# Altium PCB 56PCB -0.pcbdoc (part 2 of 2) (continued)
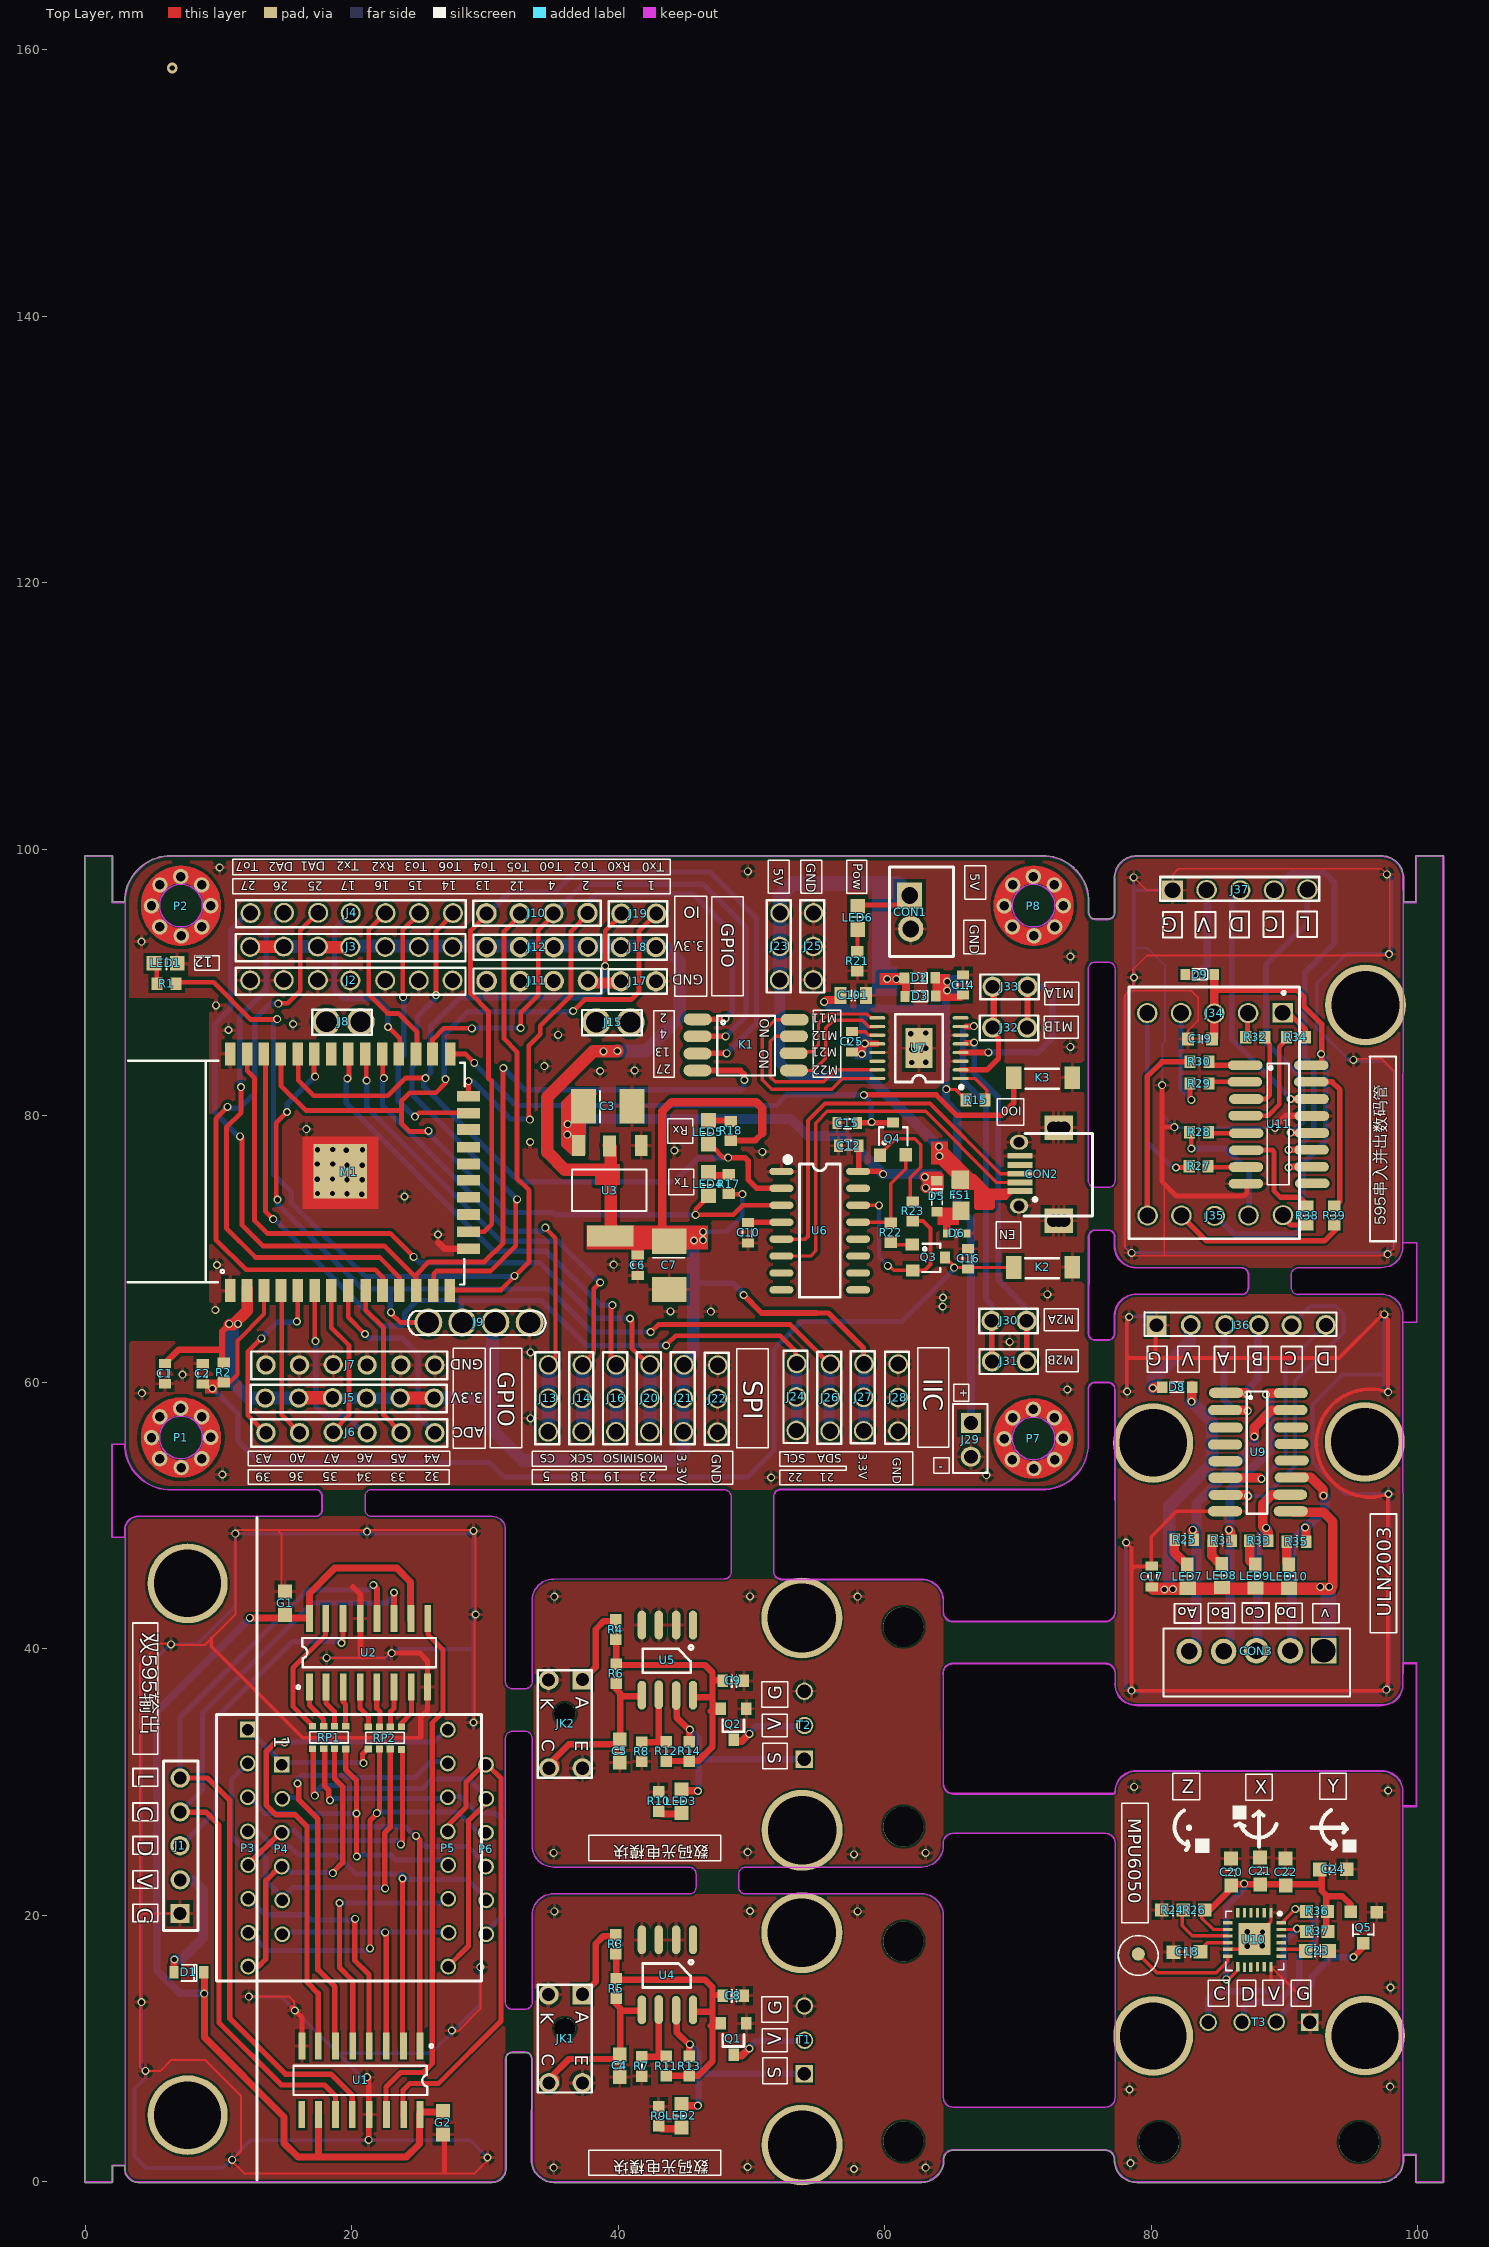
[diagram p0: Top Layer view]
## Nets (pads, with @x,y where several pads share a name; then routed paths per layer and width w, separated by ;. In a path a pad name is that pad's centre, name@x,y a point inside that pad or via, vN(x,y) a via of type N, cw(c..) or ccw(c..) an arc to the next point about the centre after c; other vN are vias at no path point) (continued)
NewNet142: RP2.7 U2.7 | length 3.3
  Top Layer w0.379: RP2.7@23.726,34.15 23.726,34.417 24.463,35.154 U2.7@24.463,37.122
NewNet143: RP2.5 U2.6 | length 2.9
  Top Layer w0.379: RP2.5@22.914,34.315 22.914,35.281 23.168,35.535 U2.6@23.168,37.122
NewNet144: RP2.3 U2.5 | length 2.9
  Top Layer w0.379: U2.5@21.872,37.122 21.872,35.535 22.126,35.281 RP2.3@22.126,34.29
NewNet145: RP2.1 U2.4 | length 3.3
  Top Layer w0.379: U2.4@20.628,37.211 20.628,35.535 21.237,34.925 RP2.1@21.237,34.15
NewNet146: RP1.7 U2.3 | length 3
  Top Layer w0.379: U2.3@19.358,37.122 19.358,36.017 19.535,35.839 RP1.7@19.535,34.176
NewNet147: RP1.5 U2.2 | length 3.1
  Top Layer w0.379: U2.2@18.062,37.122 18.062,35.916 18.697,35.281 RP1.5@18.697,34.29
NewNet148: RP1.3 U2.1 | length 3.4
  Top Layer w0.379: U2.1@16.818,37.122 16.818,35.763 17.884,34.696 RP1.3@17.884,34.176
NewNet149: RP1.1 U2.15 | length 9.9
  Top Layer w0.379: RP1.1@17.046,34.176 17.046,34.214 15.573,35.687 15.573,38.557 18.037,41.021 U2.15@18.037,42.494
NewNet150: D1.2 G1.1 G2.2 U1.10 U1.16 U2.10 U2.16 | length 85
  Top Layer w0.532: D1.2@8.944,15.519 8.944,10.846 14.913,4.877 14.913,2.896 15.954,1.854 24.082,1.854 25.073,2.845 25.073,5.131 25.174,5.232 26.787,5.232 G2.2@26.851,5.296 ; v1(12.347,42.316) 16.589,42.316 16.818,42.545 16.818,44.145 18.723,46.05 23.371,46.05 24.412,45.009 U2.10@24.412,42.139 ; 17.503,1.854 U1.10@17.503,5.042
  Bottom Layer w0.583: v1@8.994,14.148 7.089,14.148 5.362,15.875 5.362,35.281 12.347,42.266 v1(12.347,42.316)
  other v1: 8.918,14.122
NewNet151: U1.14 U2.9 | length 40.7
  Top Layer w0.379: U1.14@22.558,4.826 22.558,7.112 23.65,8.204 25.377,8.204 26.038,8.865 26.038,34.442 26.851,35.255 26.851,39.929 25.708,41.072 U2.9@25.708,42.278
R1: C25.2 U7.11 | length 2
  Top Layer w0.254: C25.2@57.531,86.309 58.522,86.309 58.791,86.04 U7.11@59.435,86.04
R2: R15.2 U7.1 | length 3.3
  Top Layer w0.254: U7.1@65.685,82.79 66.766,82.79 67.64,81.915 R15.2@67.64,80.975
RTS: Q3.2 R23.1 U6.14 | length 14.2
  Top Layer w0.252: U6.14@57.995,73.279 v1(59.563,73.279) ; v1(60.223,68.732) 60.317,68.732 60.654,68.396 Q3.2@62.08,68.396
  Top Layer w0.303: R23.1@62.078,72.111 62.865,72.111 63.424,71.552 63.424,68.834 62.985,68.396 Q3.2@62.08,68.396
  Bottom Layer w0.303: v1(59.563,73.279) 59.563,69.393 v1(60.223,68.732)
RXD: J19.2 LED4.2 M1.35 U6.3 | length 77.3
  Top Layer w0.354: M1.35@14.655,84.626 14.684,84.598 14.684,82.264 16.564,80.384 23.726,80.384 ; v1@25.708,78.81 24.361,78.81 23.726,79.445 23.726,81.096 24.361,81.731 26.317,81.731 27.028,82.442 v1(27.028,82.747) ; v1(36.604,87.852) 37.468,88.716 40.973,88.716 41.557,89.3 41.557,93.872 42.878,95.193 J19.2@42.929,95.193 ; LED4.2@46.764,73.996 46.764,73.933 45.799,72.968 v1(45.799,72.561) 48.634,72.561 49.352,73.279 U6.3@52.241,73.279
  Bottom Layer w0.405: v1(25.758,78.86) 25.758,78.683 31.702,72.739 35.077,72.739 35.255,72.561 v1(45.799,72.561) ; v1(27.028,82.747) 26.927,82.848 26.927,86.049 28.679,87.801 v1@36.528,87.801
TXD: J19.1 LED5.2 M1.34 U6.2 | length 71.5
  Top Layer w0.354: M1.34@15.979,84.448 15.979,82.67 17.148,81.502 22.685,81.502 24.006,82.823 v1(25.53,82.823) ; v1@39.068,91.154 39.017,91.205 39.017,93.872 J19.1@40.313,95.167 ; LED5.2@47.069,77.667 47.882,76.854 v1(48.237,76.854)
  Top Layer w0.405: v1(48.237,76.854) 49.496,76.854 49.733,76.617 49.733,75.209 50.394,74.549 U6.2@52.241,74.549
  Bottom Layer w0.405: v1(39.017,91.23) 39.017,89.503 38.357,88.843 28.07,88.843 25.936,86.709 25.936,83.28 25.403,82.747 25.403,82.188 32.534,75.057 44.225,75.057 46.022,76.854 v1(48.237,76.854)
V3: C10.1 U6.4 | length 2.5
  Top Layer w0.405: C10.1@49.733,71.984 49.746,71.996 52.228,71.996 U6.4@52.241,72.009
VBUS: 
VIN: CON1.1 CON2.1 D2.1 D3.1 FS1.3 J23.1 J23.2 J23.3 LED6.2 | length 60.4
  Top Layer w0.379: LED6.2@57.937,95.796 61.211,95.796 CON1.1@61.852,96.437
  Top Layer w0.405: FS1.3@65.332,75.431 65.179,75.279 65.179,74.746 65.281,74.644 66.703,74.644 66.906,74.441 66.906,73.145 68.024,73.145 68.049,73.171 68.049,73.679 68.253,73.882 69.065,73.882 CON2.1@69.535,74.352 ; FS1.3@65.482,75.431 66.301,75.431 66.678,75.431 67.757,74.352 CON2.1@69.535,74.352 ; CON2.1@70.126,74.352 CON2.1@69.535,74.352
  Top Layer w0.76: v1(64.059,77.673) 66.301,75.431 66.637,75.095 ; v1(64.084,76.962) 64.084,76.829 FS1.3@65.482,75.431
  Bottom Layer w0.735: v1@60.175,90.062 60.328,89.909
  Bottom Layer w0.76: J23.1@52.111,90.189 52.111,83.957 53.099,82.969 58.763,82.969 63.829,77.903 63.829,77.852 64.008,77.673 v1(64.059,77.673) 64.084,77.648 64.084,77.292
  Bottom Layer w1: J23.1@52.111,90.189 J23.2@52.111,92.703 52.111,96.424
  Bottom Layer w1.091: 52.111,96.424 53.114,97.428
  Bottom Layer w1.116: 53.114,97.428 60.988,97.428 CON1.1@61.801,96.615
  other v1: 60.858,90.246 60.175,90.265
VM: C14.2 C25.1 C101.2 D2.2 D3.2 J29.1 R15.1 U7.12 | length 52.8
  Top Layer w0.254: v1(64.618,81.991) 64.638,81.971 65.299,81.971 65.748,81.521 65.799,81.521 66.091,81.229 R15.1@66.091,81.178
  Top Layer w0.5: v1@58.698,85.407 U7.12@59.417,85.407
  Top Layer w0.557: D3.2@63.909,88.893 65.713,88.893 C14.2@65.865,89.046
  Top Layer w0.608: v1(55.448,88.544) 55.6,88.696 56.542,88.696 56.683,88.837 C101.2@56.683,89.027 ; v1(58.268,84.633) 58.268,85.192 v1(58.496,85.42)
  Bottom Layer w0.608: v1(55.448,88.544) 55.956,88.036 58.395,88.036 ; v1(58.496,85.42) 58.481,85.42 58.376,85.525 58.376,88.018 58.395,88.036 ; v1@64.592,89.401 64.592,88.036 ; v1@64.593,89.401 v1(64.671,89.401) ; v1@64.632,89.441 64.824,89.633 v1@64.824,89.82 ; J29.1@66.449,56.927 66.449,72.126 65.43,73.145 65.43,80.188 64.592,81.026 64.592,88.036 ; 58.395,88.036 64.592,88.036
  other v1: 64.671,90.062
pads on no net: CON2.4 J8.1 J8.2 J15.1 J15.2 JK1.5 JK2.5 M1.17 M1.18 M1.19 M1.20 M1.21 M1.22 M1.32 U1.9 U4.1 U5.1 U6.7 U6.8 U6.9 U6.10 U6.11 U6.12 U6.15 U7.8 U7.14 U9.3 U9.4 U9.5 U9.12 U9.13 U9.14 U10.2 U10.3 U10.4 U10.5 U10.6 U10.7 U10.14 U10.15 U10.16 U10.17 U10.19 U10.21 U10.22 U11.9
copper on no net:
  other v2: 6.528,158.623

## Polygon pours and split planes (outlines as drawn)
GND on Top Layer "GND-No Net" (solid, remove dead copper, pour order 19): 3,96.31 cw(c6.15,96.31) 6.15,99.46 72.037,99.46 cw(c72.037,96.234) 75.263,96.234 75.263,55.035 cw(c72.164,55.035) 72.164,51.936 6.404,51.936 cw(c6.404,55.34) 3,55.34
NewNet48 on Top Layer "GND-No Net" (solid, pour order 12): 78.939,66.599 97.126,66.599 cw(c97.126,64.846) 98.878,64.846 98.878,36.805 cw(c97.812,36.805) 97.812,35.738 78.508,35.738 cw(c78.508,36.982) 77.263,36.982 77.263,64.922 cw(c78.939,64.922)
NewNet49 on Top Layer "GND-No Net" (solid, pour order 10): 33.651,1.422 33.651,20.168 cw(c35.074,20.168) 35.074,21.59 63.191,21.59 cw(c63.191,20.396) 64.385,20.396 64.385,1.219 cw(c63.039,1.219) 63.039,-0.127 35.201,-0.127 cw(c35.201,1.422)
NewNet54 on Top Layer "GND-No Net" (solid, pour order 8): 33.651,25.038 33.651,43.783 cw(c35.074,43.783) 35.074,45.205 63.191,45.205 cw(c63.191,44.012) 64.385,44.012 64.385,24.835 cw(c63.039,24.835) 63.039,23.488 35.201,23.488 cw(c35.201,25.038)
NewNet62 on Top Layer "GND-No Net" (solid, pour order 6): 97.253,-0.025 78.533,-0.025 cw(c78.533,1.27) 77.238,1.27 77.238,29.21 cw(c78.889,29.21) 78.889,30.861 97.608,30.861 cw(c97.608,29.566) 98.904,29.566 98.904,1.626 cw(c97.253,1.626)
NewNet76 on Top Layer "GND-No Net" (solid, pour order 4): 78.774,99.358 97.57,99.358 cw(c97.57,98.012) 98.917,98.012 98.917,69.716 cw(c97.799,69.716) 97.799,68.599 78.393,68.599 cw(c78.393,69.767) 77.225,69.767 77.225,97.809 cw(c78.774,97.809) 78.774,99.358
NewNet97 on Top Layer "GND-No Net" (solid, pour order 2): 3,1.321 3,48.819 cw(c4.246,48.691) 4.118,49.936 30.965,49.936 cw(c30.895,49.307) 31.524,49.378 31.524,0.762 cw(c30.74,0.784) 30.762,0 4.321,0 cw(c4.329,1.329)
GND on Bottom Layer "GND-No Net" (solid, remove dead copper, pour order 18): 3,96.31 cw(c6.15,96.31) 6.15,99.46 72.037,99.46 cw(c72.037,96.234) 75.263,96.234 75.263,55.035 cw(c72.164,55.035) 72.164,51.936 6.404,51.936 cw(c6.404,55.34) 3,55.34
NewNet48 on Bottom Layer "GND-No Net" (solid, pour order 13): 78.939,66.599 97.126,66.599 cw(c97.126,64.846) 98.878,64.846 98.878,36.805 cw(c97.812,36.805) 97.812,35.738 78.508,35.738 cw(c78.508,36.982) 77.263,36.982 77.263,64.922 cw(c78.939,64.922)
NewNet49 on Bottom Layer "GND-No Net" (solid, pour order 11): 33.651,1.422 33.651,20.168 cw(c35.074,20.168) 35.074,21.59 63.191,21.59 cw(c63.191,20.396) 64.385,20.396 64.385,1.219 cw(c63.039,1.219) 63.039,-0.127 35.201,-0.127 cw(c35.201,1.422)
NewNet54 on Bottom Layer "GND-No Net" (solid, pour order 9): 33.651,25.038 33.651,43.783 cw(c35.074,43.783) 35.074,45.205 63.191,45.205 cw(c63.191,44.012) 64.385,44.012 64.385,24.835 cw(c63.039,24.835) 63.039,23.488 35.201,23.488 cw(c35.201,25.038)
NewNet62 on Bottom Layer "GND-No Net" (solid, pour order 7): 97.253,-0.025 78.533,-0.025 cw(c78.533,1.27) 77.238,1.27 77.238,29.21 cw(c78.889,29.21) 78.889,30.861 97.608,30.861 cw(c97.608,29.566) 98.904,29.566 98.904,1.626 cw(c97.253,1.626)
NewNet76 on Bottom Layer "GND-No Net" (solid, pour order 5): 78.774,99.358 97.57,99.358 cw(c97.57,98.012) 98.917,98.012 98.917,69.716 cw(c97.799,69.716) 97.799,68.599 78.393,68.599 cw(c78.393,69.767) 77.225,69.767 77.225,97.809 cw(c78.774,97.809) 78.774,99.358
NewNet97 on Bottom Layer "GND-No Net" (solid, pour order 3): 3,1.321 3,48.819 cw(c4.246,48.691) 4.118,49.936 30.965,49.936 cw(c30.895,49.307) 31.524,49.378 31.524,0.762 cw(c30.74,0.784) 30.762,0 4.321,0 cw(c4.329,1.329)

## Keep-outs
Keep-Out Layer:
  lines w0.1: 2.999,96.285 2.999,95.99 ; 3,96.285 cw(c6.429,96.031) 6.175,99.46 72.088,99.46 cw(c71.834,96.031) 75.263,96.285 75.262,95.228 ccw(c75.77,95.228) 75.77,94.72 76.761,94.72 ccw(c76.761,95.228) 77.269,95.228 ; 17.29,49.933 ccw(c17.29,50.441) 17.798,50.441 17.798,51.431 ccw(c17.29,51.431) 17.29,51.939 ; 17.29,49.936 3.991,49.936 ; 21.506,49.934 cw(c21.506,50.442) 20.998,50.442 20.998,51.432 cw(c21.506,51.432) 21.506,51.94 47.959,51.928 cw(c47.959,51.42) 48.467,51.42 48.467,45.756 cw(c47.959,45.756) 47.959,45.248 35.15,45.231 ccw(c35.15,43.605) 33.524,43.605 33.533,37.51 ; 21.506,49.936 30.534,49.936 cw(c30.534,48.946) 31.524,48.946 31.526,37.51 ; 31.526,33.294 31.528,13.456 ccw(c32.037,13.456) 32.037,12.948 33.027,12.948 ccw(c33.027,13.456) 33.535,13.456 ; 31.529,37.51 ccw(c32.037,37.51) 32.037,37.002 33.027,37.002 ccw(c33.027,37.51) 33.535,37.51 ; 31.53,33.294 cw(c32.038,33.294) 32.038,33.802 33.028,33.802 cw(c33.028,33.294) 33.536,33.294 33.524,25.241 ccw(c35.15,25.241) 35.15,23.615 45.325,23.607 ; 33.533,13.456 33.524,19.99 cw(c35.15,19.99) 35.15,21.615 45.325,21.601 ; 45.325,21.598 ccw(c45.325,22.106) 45.833,22.106 45.833,23.097 ccw(c45.325,23.097) 45.325,23.605 ; 52.175,45.246 62.76,45.231 ; 52.175,45.249 cw(c52.175,45.757) 51.667,45.757 51.667,51.421 cw(c52.175,51.421) 52.175,51.929 ; 64.373,38.154 cw(c65.084,38.154) 65.084,38.865 76.54,38.865 76.554,38.865 cw(c76.554,38.142) 77.277,38.142 77.277,37.363 77.263,37.363 ccw(c78.889,37.363) 78.889,35.738 97.253,35.738 ccw(c97.253,37.363) 98.878,37.363 98.881,38.859 98.878,64.494 98.878,64.973 ccw(c97.253,64.973) 97.253,66.599 91.011,66.586 ; 64.376,38.154 64.397,29.861 ; 64.381,25.428 cw(c65.092,25.428) 65.092,26.139 76.547,26.139 76.565,26.139 cw(c76.565,25.428) 77.276,25.428 77.276,6.319 cw(c76.565,6.319) 76.565,5.608 65.11,5.608 cw(c65.11,6.319) 64.398,6.319 ; 64.385,25.428 64.385,25.241 cw(c62.76,25.241) 62.76,23.615 49.541,23.606 ccw(c49.541,23.098) 49.033,23.098 49.033,22.108 ccw(c49.541,22.108) 49.541,21.6 62.76,21.615 cw(c62.76,19.99) 64.385,19.99 64.397,6.319 ; 64.398,29.861 ccw(c65.11,29.861) 65.11,29.15 76.565,29.15 77.178,29.15 ccw(c77.178,29.235) 77.263,29.235 cw(c78.889,29.235) 78.889,30.861 ; 75.258,59.449 cw(c75.766,59.449) 75.766,59.957 76.757,59.957 cw(c76.757,59.449) 77.265,59.449 77.269,42.777 cw(c76.557,42.777) 76.557,42.065 65.102,42.065 cw(c65.102,42.777) 64.391,42.777 ; 75.259,59.449 75.263,55.111 ; 77.263,71.021 77.263,70.224 ; 77.263,97.834 cw(c78.889,97.834) 78.889,99.46 97.253,99.46 cw(c97.253,97.834) 98.878,97.834 98.879,95.99 ; 77.27,91.012 ccw(c76.762,91.012) 76.762,91.52 75.771,91.52 ccw(c75.771,91.012) 75.263,91.012 75.267,75.127 ccw(c75.775,75.127) 75.775,74.619 76.766,74.619 ccw(c76.766,75.127) 77.274,75.127 77.274,91.012 ; 77.274,95.228 77.274,97.834 ; 77.275,70.911 ccw(c76.767,70.911) 76.767,71.419 75.777,71.419 ccw(c75.777,70.911) 75.269,70.911 ; 91.011,66.583 cw(c91.011,67.091) 90.503,67.091 90.503,68.082 cw(c91.011,68.082) 91.011,68.59 ; 91.011,68.592 97.253,68.599 ccw(c97.253,70.224) 98.878,70.224 ; 98.876,2.058 99.878,2.058 99.878,1.248 ; 98.884,64.494 99.392,64.494 99.9,64.494 99.9,70.463 98.883,70.463 ; 2.999,95.99 2,95.99 2,99.46 0,99.46 0,0 2,0 2,1.248 3,1.248 ; 2.999,95.99 3,56.686 ; 2.999,95.99 3,56.686 ; 3,1.248 3,48.365 ; 3,1.248 3,0.991 ccw(c3.991,0.991) 3.991,0 30.534,0 ; 3,48.365 3,48.946 ; 3,48.365 2.389,48.365 1.983,48.365 1.983,55.365 3,55.365 ; 3,48.946 cw(c3.991,48.946) 3.991,49.936 ; 3,48.946 cw(c3.991,48.946) 3.991,49.936 ; 3,55.111 ccw(c6.429,55.365) 6.175,51.936 ; 3,55.111 ccw(c6.429,55.365) 6.175,51.936 ; 3,55.111 3,55.365 ; 3,55.365 3,56.686 ; 6.175,51.936 6.683,51.936 ; 6.175,51.936 6.683,51.936 ; 6.683,51.936 17.29,51.939 ; 6.683,51.936 17.29,51.939 ; 30.534,0 ccw(c30.534,0.991) 31.524,0.991 ; 30.534,0 ccw(c30.534,0.991) 31.524,0.991 ; 31.524,0.991 31.53,9.24 cw(c32.038,9.24) 32.038,9.748 33.028,9.748 cw(c33.028,9.24) 33.536,9.24 ; 33.524,1.626 ccw(c35.15,1.626) 35.15,0 ; 33.524,1.626 ccw(c35.15,1.626) 35.15,0 ; 33.524,1.626 33.536,9.24 ; 33.524,1.626 33.536,9.24 ; 35.15,0 62.76,0 ; 35.15,0 62.76,0 ; 52.175,51.929 72.088,51.936 52.175,51.929 ; 62.76,0 ccw(c62.76,1.626) 64.385,1.626 ; 62.76,0 ccw(c62.76,1.626) 64.385,1.626 ; 62.76,45.231 cw(c62.76,43.605) 64.385,43.605 ; 62.76,45.231 cw(c62.76,43.605) 64.385,43.605 ; 64.381,1.697 cw(c65.092,1.697) 65.092,2.408 76.547,2.408 cw(c76.547,1.697) 77.258,1.697 77.263,1.626 ; 64.381,1.697 64.385,1.626 ; 64.381,1.697 64.385,1.626 ; 64.385,43.605 64.391,42.777 ; 64.385,43.605 64.391,42.777 ; 75.257,63.665 ccw(c75.765,63.665) 75.765,63.157 76.755,63.157 ccw(c76.755,63.665) 77.263,63.665 ; 75.257,63.665 75.269,70.911 ; 75.257,63.665 75.269,70.911 ; 75.263,55.111 cw(c71.834,55.365) 72.088,51.936 ccw(c71.834,55.365) 75.263,55.111 ; 77.263,1.626 ccw(c78.889,1.626) 78.889,0 ; 77.263,1.626 ccw(c78.889,1.626) 78.889,0 ; 77.263,63.665 77.263,64.973 ; 77.263,63.665 77.263,64.973 ; 77.263,64.973 cw(c78.889,64.973) 78.889,66.599 ; 77.263,64.973 cw(c78.889,64.973) 78.889,66.599 ; 77.263,70.224 ccw(c78.889,70.224) 78.889,68.599 ; 77.263,70.224 ccw(c78.889,70.224) 78.889,68.599 ; 78.889,0 97.253,0 ccw(c97.253,1.626) 98.878,1.626 98.878,2.058 98.878,28.215 98.878,29.235 ; 78.889,30.861 97.253,30.861 ; 78.889,30.861 97.253,30.861 ; 78.889,66.599 86.795,66.582 ; 78.889,66.599 86.795,66.582 ; 78.889,68.599 86.795,68.588 ; 78.889,68.599 86.795,68.588 ; 86.795,66.582 ccw(c86.795,67.09) 87.303,67.09 87.303,68.08 ccw(c86.795,68.08) 86.795,68.588 ; 97.253,30.861 cw(c97.253,29.235) 98.878,29.235 ; 97.253,30.861 cw(c97.253,29.235) 98.878,29.235 ; 98.878,70.224 98.878,70.463 98.879,95.99 ; 98.878,70.224 98.878,70.224 ; 98.878,70.224 98.878,70.224 ; 98.879,95.99 99.878,95.99 ; 99.878,1.248 99.878,1.248 ; 99.878,1.248 99.878,1.248 ; 99.878,1.248 99.878,0 101.878,0 101.878,99.46 99.878,99.46 99.878,95.99 ; 99.878,95.99 99.878,95.99
  lines w0.127: 98.894,28.215 99.881,28.215 99.881,32.904 99.881,38.873 98.894,38.873

## Other copper
Top Layer:
  region net VIN: 64.722,76.346 64.722,77.552 63.452,77.552 63.452,76.346
  region net VIN: 64.719,76.848 64.719,78.054 63.449,78.054 63.449,76.848
  region net VIN: 68.253,73.145 68.253,74.352 66.983,74.352 66.983,73.145
  region net +5v: 37.201,77.65 36.363,78.462 35.69,77.768 36.528,76.955
  region net +5v: 36.48,80.215 37.369,81.028 36.68,81.781 35.791,80.969
  region net +5v: 36.782,77.819 36.782,80.994 35.791,80.994 35.791,77.819
  region net +5v: 37.569,77.082 37.569,81.565 36.388,81.565 36.388,77.082
  region net VIN: 61.903,89.02 61.903,90.671 61.268,90.671 61.268,89.02
  region net VIN: 61.826,89.808 61.826,90.697 59.591,90.697 59.591,89.808
  region net VM: 64.9,88.995 64.9,90.621 63.579,90.621 63.579,88.995
  region net VIN: 66.513,74.86 67.389,73.984 67.757,74.352 66.881,75.228
  region net VIN: 69.091,73.933 69.091,74.238 68.176,74.238 68.176,73.933
  region net VIN: 66.881,74.644 66.881,75.381 66.094,75.381 66.094,74.644
  region net NewNet100: 65.56,71.799 65.56,73.12 63.96,73.12 63.96,71.799
  region net 3.3V: 41.913,69.183 41.913,70.326 40.998,70.326 40.998,69.183
  region net 3.3V: 46.739,69.97 46.739,71.774 37.62,71.774 37.62,69.97
  region net 3.3V: 40.135,74.796 40.135,76.371 38.23,76.371 38.23,74.796
  region net NewNet105: 9.909,59.15 9.909,60.217 8.994,60.217 8.994,59.15
  rectangle net GND: 16.284,72.993 21.999,78.454
  pour cut-out: 2.949,63.087 9.299,63.087 9.299,88.868 2.949,88.868
Bottom Layer:
  region net VM: 59.036,85.829 57.715,85.829 57.715,84.229 59.036,84.229
  region net VM: 65.992,89.097 65.992,90.544 63.655,90.544 63.655,89.097
  region net VIN: 64.719,76.657 64.719,78.232 63.449,78.232 63.449,76.657
  region net VIN: 62.588,95.472 62.588,97.479 59.947,97.479 59.947,95.472
  region net VIN: 60.404,91.078 60.404,97.199 59.032,97.199 59.032,91.078
  region net VIN: 60.937,88.995 60.937,91.179 59.032,91.179 59.032,88.995
  region net +5v: 64.316,74.339 64.316,75.914 62.741,75.914 62.741,74.339
  region net +5v: 37.595,78.048 37.595,80.181 35.69,80.181 35.69,78.048
  pour cut-out: 2.949,63.087 9.299,63.087 9.299,88.868 2.949,88.868

## Silkscreen, mask and mechanical layers (free items; w line width, h text height)
Top Overlay:
  drawing of 336 lines, arcs and shapes, not listed
  text "DA1" at 18.011,99.053 h0.66 r180
  text "Tx2" at 20.526,99.053 h0.66 r180
  text "To7" at 12.982,99.028 h0.66 r180
  text "DA2" at 15.598,99.028 h0.66 r180
  text "To3" at 25.657,99.028 h0.66 r180
  text "To6" at 28.197,99.028 h0.66 r180
  text "To4" at 30.788,99.028 h0.66 r180
  text "To2" at 38.357,99.028 h0.66 r180
  text "Rx2" at 23.218,99.003 h0.66 r180
  text "To0" at 35.791,99.003 h0.66 r180
  text "Rx0" at 40.948,99.003 h0.66 r180
  text "To5" at 33.302,98.977 h0.66 r180
  text "Tx0" at 43.437,98.977 h0.66 r180
  text "GND" at 54.105,98.952 h0.71 r270
  text "Pow" at 57.61,98.952 h0.71 r270
  text "5V" at 51.666,98.571 h0.71 r270
  text "5V" at 66.398,98.19 h0.71 r270
  text "17" at 20.297,97.606 h0.66 r180
  text "15" at 25.352,97.606 h0.66 r180
  text "14" at 27.892,97.606 h0.66 r180
  text "13" at 30.432,97.606 h0.66 r180
  text "4" at 35.309,97.606 h0.66 r180
  text "27" at 12.779,97.58 h0.66 r180
  text "16" at 22.837,97.58 h0.66 r180
  text "2" at 37.849,97.58 h0.66 r180
  text "3" at 40.389,97.58 h0.66 r180
  text "1" at 42.776,97.58 h0.66 r180
  text "26" at 15.243,97.555 h0.66 r180
  text "25" at 17.808,97.555 h0.66 r180
  text "12" at 32.972,97.555 h0.66 r180
  text "IO" at 46.129,95.675 h0.84 r180
  text "C" at 89.569,94.939 h1.09 r180
  text "L" at 92.008,94.913 h1.09 r180
  text "G" at 81.949,94.888 h1.09 r180
  text "D" at 87.004,94.888 h1.09 r180
  text "V" at 84.464,94.862 h1.09 r180
  text "GPIO" at 47.704,94.456 h0.99 r270
  text "GND" at 66.373,94.329 h0.71 r270
  text "3.3V" at 46.485,93.11 h0.74 r180
  text "12" at 9.553,91.916 h0.79 r180
  text "GND" at 46.383,90.57 h0.74 r180
  text "M1A" at 74.196,89.554 h0.74 r180
  text "2" at 43.665,87.649 h0.66 r180
  text "M11" at 56.416,87.649 h0.66 r180
  text "M1B" at 74.145,87.039 h0.74 r180
  text "4" at 43.665,86.455 h0.66 r180
  text "M12" at 56.467,86.353 h0.66 r180
  text "13" at 43.894,85.083 h0.66 r180
  text "M21" at 56.416,85.083 h0.66 r180
  text "27" at 43.97,83.839 h0.66 r180
  text "M22" at 56.518,83.763 h0.66 r180
  text "IO0" at 70.285,80.664 h0.66 r180
  text "Rx" at 45.24,79.191 h0.66 r180
  text "Tx" at 45.266,75.304 h0.66 r180
  text "595串入并出数码管" at 97.895,71.774 h1.5 r90
  text "EN" at 69.827,71.418 h0.66 r180
  text "M2A" at 74.222,65.017 h0.66 r180
  text "C" at 90.954,62.281 h1.01 r180
  text "G" at 80.768,62.255 h1.01 r180
  text "V" at 83.207,62.255 h1.01 r180
  text "A" at 85.874,62.255 h1.01 r180
  text "B" at 88.414,62.255 h1.01 r180
  text "D" at 93.468,62.255 h1.01 r180
  text "M2B" at 74.171,61.969 h0.66 r180
  text "GND" at 29.873,61.715 h0.79 r180
  text "GPIO" at 30.965,60.801 h1.22 r270
  text "IIC" at 62.919,60.318 h1.42 r270
  text "SPI" at 49.406,60.166 h1.42 r270
  text "3.3V" at 29.873,59.201 h0.79 r180
  text "+" at 65.535,58.896 h0.64
  text "ADC" at 29.924,56.635 h0.79 r180
  text "3.3V" at 58.042,54.68 h0.64 r270
  text "A0" at 16.538,54.629 h0.69 r180
  text "A6" at 21.593,54.629 h0.69 r180
  text "3.3V" at 44.427,54.629 h0.71 r270
  text "A3" at 13.998,54.603 h0.69 r180
  text "A7" at 19.078,54.603 h0.69 r180
  text "A5" at 24.133,54.603 h0.69 r180
  text "A4" at 26.622,54.603 h0.69 r180
  text "CS" at 35.258,54.603 h0.64 r180
  text "SCL" at 54.054,54.603 h0.64 r180
  text "SDA" at 56.772,54.603 h0.64 r180
  text "SCK" at 38.103,54.578 h0.64 r180
  text "MOSIMISO" at 43.386,54.578 h0.64 r180
  text "GND" at 47.018,54.578 h0.71 r270
  text "GND" at 60.607,54.349 h0.64 r270
  text "-" at 64.036,53.41 h0.64
  text "5" at 34.928,53.283 h0.71 r180
  text "23" at 42.827,53.257 h0.71 r180
  text "36" at 16.462,53.232 h0.69 r180
  text "35" at 18.977,53.232 h0.69 r180
  text "32" at 26.647,53.232 h0.69 r180
  text "18" at 37.671,53.232 h0.71 r180
  text "19" at 40.186,53.232 h0.71 r180
  text "39" at 13.947,53.206 h0.69 r180
  text "34" at 21.542,53.206 h0.69 r180
  text "33" at 24.082,53.206 h0.69 r180
  text "22" at 53.851,53.181 h0.64 r180
  text "21" at 56.213,53.156 h0.64 r180
  text "Ao" at 83.435,43.129 h0.83 r180
  text "Co" at 88.515,43.104 h0.83 r180
  text "Do" at 90.954,43.104 h0.83 r180
  text "Bo" at 85.95,43.078 h0.83 r180
  text "v" at 93.392,42.951 h0.83 r180
  text "ULN2003" at 97.989,42.393 h1.06 r90
  text "双595输出" at 3.873,41.209 h2 r270
  text "G" at 52.269,36.163 h1.02 r90
  text "V" at 52.219,33.877 h1.02 r90
  text "1" at 14.176,33.503 h1.17 r270
  text "S" at 51.203,32.251 h1.02 r270
  text "L" at 3.965,30.632 h1.17 r270
  text "Y" at 93.24,29.21 h1.02
  text "Z" at 82.292,29.159 h1.02
  text "X" at 87.753,29.134 h1.02
  text "C" at 3.914,28.194 h1.17 r270
  text "MPU6050" at 78.254,27.28 h0.99 r270
  text "D" at 3.94,25.629 h1.17 r270
  text "数码光电模块" at 46.834,25.464 h1.5 r180
  text "V" at 3.889,23.114 h1.17 r270
  text "G" at 3.914,20.574 h1.17 r270
  text "C" at 84.629,13.64 h1.02
  text "V" at 88.744,13.64 h1.02
  text "G" at 90.877,13.64 h1.02
  text "D" at 86.712,13.589 h1.02
  text "G" at 52.269,12.548 h1.02 r90
  text "V" at 52.219,10.262 h1.02 r90
  text "S" at 51.203,8.636 h1.02 r270
  text "数码光电模块" at 46.834,1.848 h1.5 r180
Bottom Overlay:
  circle w0.125: c16.538,12.446 r0.548
  circle w0.125: c16.564,22.428 r0.548
  circle w0.125: c16.589,32.436 r0.548
  circle w0.125: c16.564,42.443 r0.548
  lines w0.176: 15.929,11.176 15.903,11.151 ; 15.954,21.158 15.929,21.133 ; 15.954,41.173 15.929,41.148 ; 15.979,31.166 15.954,31.14 ; 16.132,11.379 16.132,11.405 ; 16.157,21.361 16.157,21.387 ; 16.157,41.377 16.157,41.402 ; 16.183,31.369 16.183,31.394 ; 15.903,11.151 16.868,10.389 16.843,7.468 15.929,6.299 15.903,11.151 ; 15.929,21.133 16.894,20.371 16.868,17.45 15.954,16.281 15.929,21.133 ; 15.929,41.148 16.894,40.386 16.868,37.465 15.954,36.297 15.929,41.148 ; 15.954,31.14 16.919,30.378 16.894,27.457 15.979,26.289 15.954,31.14 ; 16.132,11.405 17.097,10.668 19.637,11.354 20.043,12.344 16.132,11.405 ; 16.157,21.387 17.122,20.65 19.662,21.336 20.069,22.327 16.157,21.387 ; 16.157,41.402 17.122,40.665 19.662,41.351 20.069,42.342 16.157,41.402 ; 16.183,31.394 17.148,30.658 19.688,31.344 20.094,32.334 16.183,31.394 ; 16.106,6.121 20.12,7.112 19.485,7.925 16.945,7.163 16.106,6.121 ; 16.132,16.104 20.145,17.094 19.51,17.907 16.97,17.145 16.132,16.104 ; 16.132,36.119 20.145,37.109 19.51,37.922 16.97,37.16 16.132,36.119 ; 16.157,26.111 20.17,27.102 19.535,27.915 16.995,27.153 16.157,26.111 ; 19.688,8.534 20.221,7.468 20.831,8.687 20.831,11.1 20.272,12.065 19.688,10.897 19.688,8.534 ; 19.713,18.517 20.247,17.45 20.856,18.669 20.856,21.082 20.297,22.047 19.713,20.879 19.713,18.517 ; 19.713,38.532 20.247,37.465 20.856,38.684 20.856,41.097 20.297,42.062 19.713,40.894 19.713,38.532 ; 19.739,28.524 20.272,27.457 20.882,28.677 20.882,31.09 20.323,32.055 19.739,30.886 19.739,28.524 ; 20.424,12.446 20.932,11.633 23.422,12.268 24.336,13.386 20.424,12.446 ; 20.45,22.428 20.958,21.615 23.447,22.25 24.361,23.368 20.45,22.428 ; 20.45,42.443 20.958,41.631 23.447,42.266 24.361,43.383 20.45,42.443 ; 20.475,32.436 20.983,31.623 23.472,32.258 24.387,33.376 20.475,32.436 ; 20.501,7.137 20.932,8.23 23.345,8.89 24.336,8.128 20.501,7.137 ; 20.526,17.12 20.958,18.212 23.371,18.872 24.361,18.11 20.526,17.12 ; 20.526,37.135 20.958,38.227 23.371,38.887 24.361,38.125 20.526,37.135 ; 20.551,27.127 20.983,28.219 23.396,28.88 24.387,28.118 20.551,27.127 ; 23.599,9.068 23.625,12.04 24.59,13.259 24.565,8.382 23.599,9.068 ; 23.625,19.05 23.65,22.022 24.615,23.241 24.59,18.364 23.625,19.05 ; 23.625,39.065 23.65,42.037 24.615,43.256 24.59,38.379 23.625,39.065 ; 23.65,29.058 23.676,32.029 24.641,33.249 24.615,28.372 23.65,29.058
  text "4" at 13.922,38.379 h1.4 r270
  text "C" at 11.56,38.252 h1.4 r270
  text "C" at 11.56,29.769 h1.4 r270
  text "3" at 13.922,29.413 h1.4 r270
  text "B" at 11.509,19.533 h1.4 r270
  text "2" at 14.125,19.507 h1.4 r270
  text "c" at 18.164,14.046 h1.17 r270
  text "dp" at 16.462,13.589 h1.24 r270
  text "b" at 21.567,13.462 h1.17 r270
  text "a" at 24.946,10.541 h1.17 r270
  text "g" at 21.491,9.703 h1.17 r270
  text "A" at 11.458,9.398 h1.47 r270
  text "d" at 17.376,8.865 h1.17 r270
  text "1" at 13.82,8.585 h1.4 r270
  text "f" at 21.771,6.731 h1.17 r270
  text "e" at 18.316,5.69 h1.17 r270

## Text inside footprints (layer, text, board x,y; h text height)
JK1: Top Overlay "E" at 36.775,9.525 h0.99 r270; Top Overlay "C" at 34.261,9.601 h0.99 r270; Top Overlay "K" at 34.185,12.725 h0.99 r270; Top Overlay "A" at 36.801,12.802 h0.99 r270
JK2: Top Overlay "E" at 36.775,33.14 h0.99 r270; Top Overlay "C" at 34.261,33.217 h0.99 r270; Top Overlay "K" at 34.185,36.341 h0.99 r270; Top Overlay "A" at 36.801,36.417 h0.99 r270
K1: Top Overlay "NO" at 51.323,85.807 h0.71 r90; Top Overlay "NO" at 51.273,83.47 h0.71 r90